# KiCad board nyx.kicad_pcb (continued)
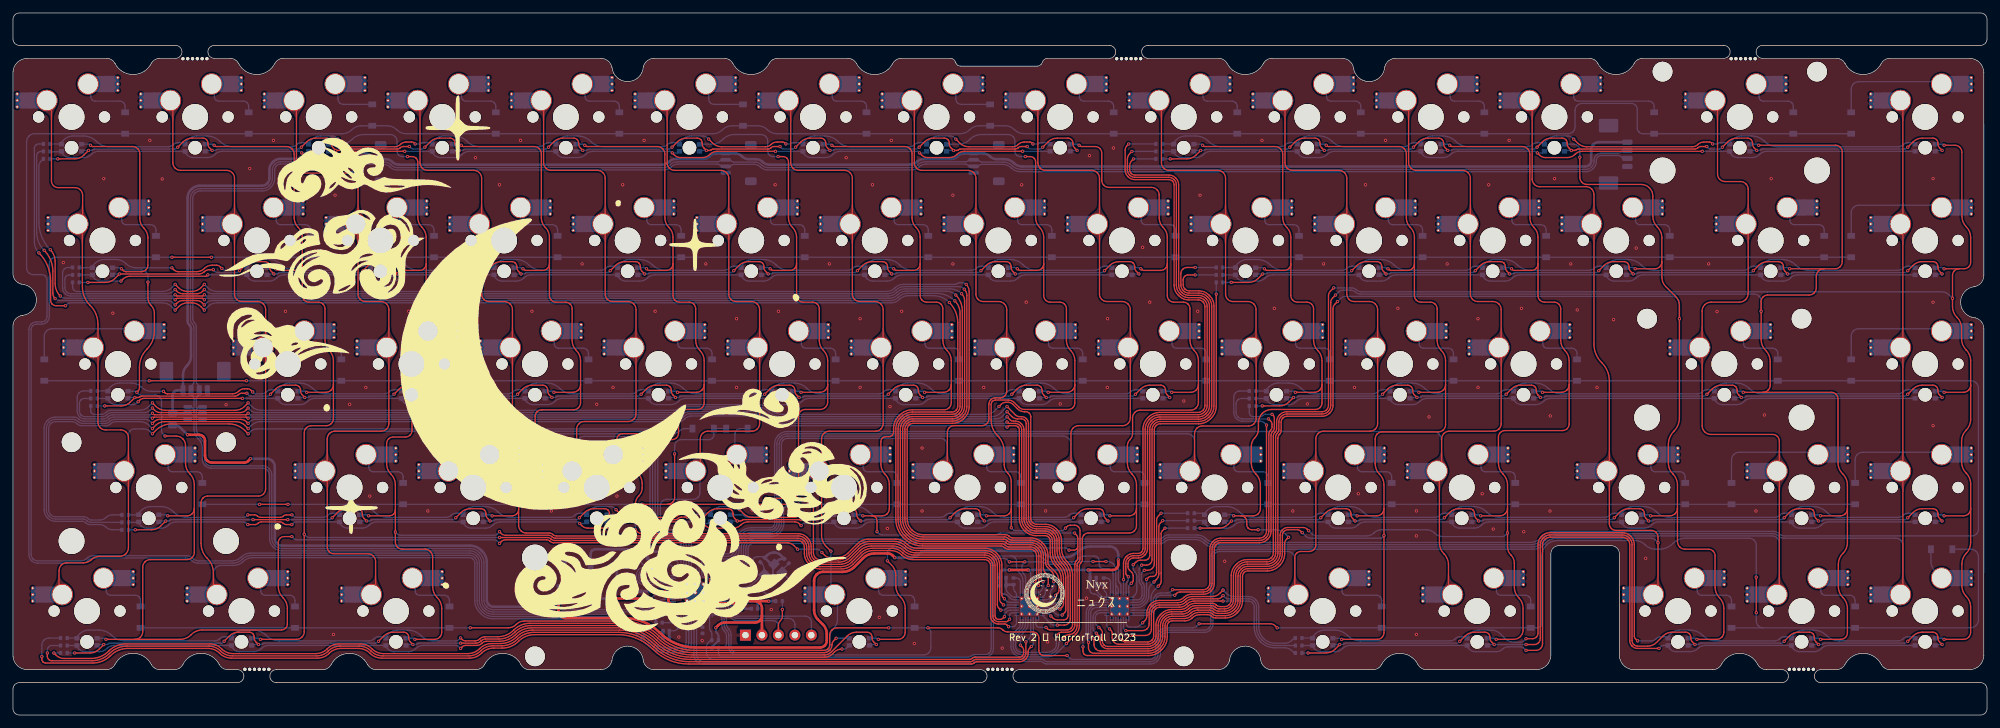
[diagram p0: board, top side]
## Routing (per net, layer and track width the routed paths; a pad name or vN(x,y) marks a point on that pad's centre or on a via; arc(x,y) is an arc through that point) (continued)
Net-(LED45-BK): length 173.3
  Top w0.2: v1(130.71,29.92) 130.33,30.31 arc(130.13,30.6) 130.06,30.95 130.06,31.06 arc(130.01,31.35) 129.84,31.59 129.83,31.6 arc(129.59,31.77) 129.3,31.82 127.64,31.82 arc(126.88,31.67) 126.23,31.24 v1(125.41,30.42) ; v1(106.36,30.42) 107.18,31.24 arc(107.83,31.67) 108.59,31.82 110.25,31.82 arc(110.54,31.77) 110.78,31.6 110.79,31.59 arc(110.96,31.35) 111.01,31.06 111.01,30.95 arc(111.08,30.6) 111.28,30.31 v1(111.66,29.92) 112.17,29.92 arc(112.31,29.95) 112.42,30.02 112.43,30.03 arc(112.54,30.11) 112.68,30.14 v1(121.5,30.14) ; v1(68.26,30.42) 69.08,31.24 arc(69.73,31.67) 70.49,31.82 72.15,31.82 arc(72.44,31.77) 72.68,31.6 72.69,31.59 arc(72.86,31.35) 72.91,31.06 72.91,30.95 arc(72.98,30.6) 73.18,30.31 v1(73.56,29.92) ; v1(168.81,29.92) 168.43,30.31 arc(168.23,30.6) 168.16,30.95 168.16,31.06 arc(168.11,31.35) 167.94,31.59 167.93,31.6 arc(167.69,31.77) 167.4,31.82 165.74,31.82 arc(164.98,31.67) 164.33,31.24 v1(163.51,30.42) ; v1(54.51,29.92) 54.13,30.31 arc(53.93,30.6) 53.86,30.95 53.86,31.06 arc(53.81,31.35) 53.64,31.59 53.63,31.6 arc(53.39,31.77) 53.1,31.82 51.44,31.82 arc(50.68,31.67) 50.03,31.24 v1(49.21,30.42) ; v1(149.76,29.92) 149.38,30.31 arc(149.18,30.6) 149.11,30.95 149.11,31.06 arc(149.06,31.35) 148.89,31.59 148.88,31.6 arc(148.64,31.77) 148.35,31.82 146.69,31.82 arc(145.93,31.67) 145.28,31.24 v1(144.46,30.42) ; v1(37,30.14) v1(42.38,30.14) ; v1(103.96,30.52) 103.03,30.52 arc(102.78,30.47) 102.57,30.33 102.57,30.33 arc(102.36,30.19) 102.11,30.14 93.63,30.14 arc(93.49,30.11) 93.38,30.03 93.37,30.02 arc(93.26,29.95) 93.12,29.92 v1(92.61,29.92) 92.23,30.31 arc(92.03,30.6) 91.96,30.95 91.96,31.06 arc(91.91,31.35) 91.74,31.59 91.73,31.6 arc(91.49,31.77) 91.2,31.82 89.54,31.82 arc(88.78,31.67) 88.13,31.24 v1(87.31,30.42) ; v1(23.56,29.92) 22.79,29.16 arc(22.14,28.72) 21.38,28.57 v1(18.85,28.57)
  Bottom w0.2: LED49.2 110.73,29.92 v1(111.66,29.92) ; LED50.2 129.78,29.92 v1(130.71,29.92) 131.12,29.92 arc(131.26,29.95) 131.37,30.02 131.38,30.03 arc(131.49,30.11) 131.63,30.14 143.97,30.14 arc(144.16,30.18) 144.32,30.28 v1(144.46,30.42) ; v1(125.41,30.42) 125.27,30.28 arc(125.11,30.18) 124.92,30.14 v1(121.5,30.14) ; v1(103.96,30.52) 104.2,30.28 arc(104.36,30.18) 104.55,30.14 105.87,30.14 arc(106.06,30.18) 106.22,30.28 v1(106.36,30.42) ; v1(92.61,29.92) 91.68,29.92 LED48.2 ; LED52.2 167.88,29.92 v1(168.81,29.92) ; R19.2 v1(18.85,28.57) ; LED46.2 53.58,29.92 v1(54.51,29.92) 54.92,29.92 arc(55.06,29.95) 55.17,30.02 55.18,30.03 arc(55.29,30.11) 55.43,30.14 67.77,30.14 arc(67.96,30.18) 68.12,30.28 v1(68.26,30.42) ; v1(37,30.14) 24.47,30.14 arc(24.34,30.11) 24.22,30.03 24.21,30.02 arc(24.1,29.95) 23.97,29.92 v1(23.56,29.92) 22.63,29.92 LED45.2 ; v1(163.51,30.42) 163.37,30.28 arc(163.21,30.18) 163.02,30.14 150.68,30.14 arc(150.54,30.11) 150.43,30.03 150.42,30.02 arc(150.31,29.95) 150.17,29.92 v1(149.76,29.92) 148.83,29.92 LED51.2 ; LED47.2 72.63,29.92 v1(73.56,29.92) 73.97,29.92 arc(74.11,29.95) 74.22,30.02 74.23,30.03 arc(74.34,30.11) 74.48,30.14 86.82,30.14 arc(87.01,30.18) 87.17,30.28 v1(87.31,30.42) ; v1(42.38,30.14) 42.38,30.13 48.72,30.13 arc(48.91,30.17) 49.07,30.28 v1(49.21,30.42)
Net-(LED45-GK): length 155.1
  Top w0.2: v1(121.5,29.22) 121.23,29.49 arc(120.9,29.71) 120.52,29.79 113.34,29.79 arc(112.73,29.67) 112.21,29.32 112.18,29.29 arc(111.66,28.94) 111.05,28.82 107.65,28.82 arc(107.17,28.92) 106.77,29.19 v1(106.42,29.54) ; v1(103.26,29.79) 94.29,29.79 arc(93.68,29.67) 93.16,29.32 93.13,29.29 arc(92.61,28.94) 92,28.82 88.6,28.82 arc(88.12,28.92) 87.72,29.19 v1(87.36,29.54) ; v1(43,29.37) 42.14,29.37 arc(41.87,29.43) 41.64,29.58 41.64,29.58 arc(41.41,29.73) 41.14,29.79 38.31,29.79 arc(38.04,29.73) 37.81,29.58 37.81,29.58 arc(37.58,29.43) 37.31,29.37 v1(36.2,29.37)
  Bottom w0.2: LED49.3 107.25,29.54 v1(106.42,29.54) 106.27,29.69 arc(106.16,29.76) 106.03,29.79 v1(103.26,29.79) ; v1(121.5,29.22) 121.7,29.43 arc(121.87,29.53) 122.06,29.57 126.33,29.57 LED50.3 126.55,29.54 126.9,29.19 arc(127.3,28.92) 127.78,28.82 130,28.82 arc(130.61,28.94) 131.13,29.29 131.16,29.32 arc(131.68,29.67) 132.29,29.79 LED51.3 145.6,29.54 145.95,29.19 arc(146.35,28.92) 146.83,28.82 149.05,28.82 arc(149.66,28.94) 150.18,29.29 150.21,29.32 arc(150.73,29.67) 151.34,29.79 LED52.3 ; LED48.3 88.2,29.54 v1(87.36,29.54) 87.22,29.69 arc(87.11,29.76) 86.97,29.79 75.14,29.79 arc(74.53,29.67) 74.01,29.32 73.98,29.29 arc(73.46,28.94) 72.85,28.82 70.63,28.82 arc(70.15,28.92) 69.75,29.19 69.4,29.54 LED47.3 56.09,29.79 arc(55.48,29.67) 54.96,29.32 54.93,29.29 arc(54.41,28.94) 53.8,28.82 51.58,28.82 arc(51.1,28.92) 50.7,29.19 50.35,29.54 LED46.3 50.34,29.78 43.68,29.78 arc(43.43,29.74) 43.22,29.59 v1(43,29.37) ; R20.2 19.33,29.72 LED45.3 19.39,29.54 19.74,29.19 arc(20.15,28.92) 20.62,28.82 22.84,28.82 arc(23.46,28.94) 23.97,29.29 24,29.32 arc(24.52,29.67) 25.13,29.79 35.52,29.79 arc(35.76,29.74) 35.98,29.6 v1(36.2,29.37)
Net-(LED45-RK): length 157
  Top w0.2: v1(43,30.87) 42.14,30.87 arc(41.89,30.82) 41.68,30.68 41.68,30.68 arc(41.47,30.54) 41.22,30.49 38.16,30.49 arc(37.91,30.54) 37.7,30.68 37.69,30.68 arc(37.48,30.82) 37.23,30.87 v1(36.2,30.87) ; v1(92.96,31.67) 93.56,31.07 arc(94.21,30.64) 94.98,30.49 101.71,30.49 arc(102.19,30.58) 102.6,30.85 102.6,30.86 arc(103.01,31.13) 103.49,31.22 104.36,31.22 arc(104.55,31.18) 104.71,31.08 v1(104.86,30.92) ; v1(112.01,31.67) 112.61,31.07 arc(113.26,30.64) 114.03,30.49 120.45,30.49 arc(120.83,30.56) 121.16,30.78 v1(121.5,31.12)
  Bottom w0.2: LED52.4 164.41,31.12 163.55,31.12 arc(163.15,31.04) 162.8,30.81 162.78,30.79 arc(162.44,30.57) 162.04,30.49 152.96,30.49 arc(151.89,30.7) 150.98,31.31 150.96,31.33 arc(150.05,31.94) 148.98,32.15 147.42,32.15 arc(146.65,32) 146,31.56 145.6,31.16 LED51.4 145.36,31.12 144.5,31.12 arc(144.1,31.04) 143.75,30.81 143.73,30.79 arc(143.39,30.57) 142.99,30.49 133.91,30.49 arc(132.84,30.7) 131.93,31.31 131.91,31.33 arc(131,31.94) 129.93,32.15 128.37,32.15 arc(127.6,32) 126.95,31.56 126.55,31.16 LED50.4 126.31,31.12 v1(121.5,31.12) ; v1(43,30.87) 43.2,30.67 arc(43.41,30.53) 43.66,30.48 47.74,30.48 arc(48.14,30.56) 48.48,30.79 48.5,30.81 arc(48.85,31.04) 49.25,31.12 50.11,31.12 LED46.4 50.35,31.16 50.75,31.56 arc(51.4,32) 52.17,32.15 53.73,32.15 arc(54.8,31.94) 55.71,31.33 55.73,31.31 arc(56.64,30.7) 57.71,30.49 66.79,30.49 arc(67.19,30.57) 67.53,30.79 67.55,30.81 arc(67.9,31.04) 68.3,31.12 69.16,31.12 LED47.4 69.4,31.16 69.8,31.56 arc(70.45,32) 71.22,32.15 72.78,32.15 arc(73.85,31.94) 74.76,31.33 74.78,31.31 arc(75.69,30.7) 76.76,30.49 85.84,30.49 arc(86.24,30.57) 86.58,30.79 86.6,30.81 arc(86.95,31.04) 87.35,31.12 88.21,31.12 LED48.4 88.45,31.16 88.85,31.56 arc(89.5,32) 90.27,32.15 92.11,32.15 arc(92.46,32.08) 92.75,31.89 v1(92.96,31.67) ; v1(104.86,30.92) 105.54,30.92 arc(105.65,30.95) 105.75,31.01 105.77,31.03 arc(105.87,31.1) 105.99,31.12 107.26,31.12 LED49.4 107.5,31.16 107.9,31.56 arc(108.55,32) 109.32,32.15 111.16,32.15 arc(111.51,32.08) 111.8,31.89 v1(112.01,31.67) ; v1(36.2,30.87) 36,30.68 arc(35.79,30.54) 35.54,30.49 26.76,30.49 arc(25.69,30.7) 24.78,31.31 24.75,31.33 arc(23.85,31.94) 22.77,32.15 21.21,32.15 arc(20.45,32) 19.8,31.56 19.39,31.16 LED45.4 19.38,30.87 R21.2
Net-(LED53-BK): length 131.4
  Top w0.2: v1(273.05,30.42) 273.86,31.24 arc(274.51,31.67) 275.28,31.82 276.94,31.82 arc(277.23,31.77) 277.47,31.6 277.48,31.59 arc(277.64,31.35) 277.7,31.06 277.7,30.95 arc(277.77,30.6) 277.96,30.31 v1(278.35,29.92) ; v1(252.16,29.92) 251.77,30.31 arc(251.57,30.6) 251.51,30.95 251.51,31.06 arc(251.45,31.35) 251.29,31.59 251.28,31.6 arc(251.03,31.77) 250.75,31.82 249.08,31.82 arc(248.32,31.67) 247.67,31.24 v1(246.86,30.42) ; v1(220.66,30.42) 221.48,31.24 arc(222.13,31.67) 222.89,31.82 224.55,31.82 arc(224.84,31.77) 225.08,31.6 225.09,31.59 arc(225.26,31.35) 225.31,31.06 225.31,30.95 arc(225.38,30.6) 225.58,30.31 v1(225.96,29.92) ; v1(183,28.82) 185.92,28.82 arc(186.69,28.97) 187.34,29.41 v1(187.85,29.92) ; v1(292.1,30.42) 292.91,31.24 arc(293.56,31.67) 294.33,31.82 295.99,31.82 arc(296.28,31.77) 296.52,31.6 296.53,31.59 arc(296.69,31.35) 296.75,31.06 296.75,30.95 arc(296.82,30.6) 297.01,30.31 v1(297.4,29.92) ; v1(206.91,29.92) 206.53,30.31 arc(206.33,30.6) 206.26,30.95 206.26,31.06 arc(206.21,31.35) 206.04,31.59 206.03,31.6 arc(205.79,31.77) 205.5,31.82 203.84,31.82 arc(203.08,31.67) 202.43,31.24 v1(201.61,30.42)
  Bottom w0.2: LED56.2 251.23,29.92 v1(252.16,29.92) 252.57,29.92 arc(252.7,29.95) 252.81,30.02 252.82,30.03 arc(252.94,30.11) 253.07,30.14 272.56,30.14 arc(272.75,30.18) 272.91,30.28 v1(273.05,30.42) ; LED58.2 296.47,29.92 v1(297.4,29.92) ; v1(246.86,30.42) 246.72,30.28 arc(246.56,30.18) 246.36,30.14 226.88,30.14 arc(226.74,30.11) 226.63,30.03 226.62,30.02 arc(226.51,29.95) 226.37,29.92 v1(225.96,29.92) 225.03,29.92 LED55.2 ; LED53.2 186.93,29.92 v1(187.85,29.92) 188.27,29.92 arc(188.41,29.95) 188.52,30.02 188.53,30.03 arc(188.64,30.11) 188.78,30.14 201.12,30.14 arc(201.31,30.18) 201.47,30.28 v1(201.61,30.42) ; R34.2 v1(183,28.82) ; LED54.2 205.98,29.92 v1(206.91,29.92) 207.32,29.92 arc(207.46,29.95) 207.57,30.02 207.58,30.03 arc(207.69,30.11) 207.83,30.14 220.17,30.14 arc(220.36,30.18) 220.52,30.28 v1(220.66,30.42) ; v1(292.1,30.42) 291.96,30.28 arc(291.8,30.18) 291.61,30.14 279.27,30.14 arc(279.13,30.11) 279.02,30.03 279.01,30.02 arc(278.89,29.95) 278.76,29.92 v1(278.35,29.92) 277.42,29.92 LED57.2
Net-(LED53-GK): length 115
  Bottom w0.2: LED58.3 279.93,29.79 arc(279.32,29.67) 278.8,29.32 278.77,29.29 arc(278.25,28.94) 277.64,28.82 275.42,28.82 arc(274.94,28.92) 274.53,29.19 274.18,29.54 LED57.3 253.73,29.79 arc(253.12,29.67) 252.6,29.32 252.57,29.29 arc(252.06,28.94) 251.44,28.82 249.22,28.82 arc(248.75,28.92) 248.34,29.19 247.99,29.54 LED56.3 227.54,29.79 arc(226.93,29.67) 226.41,29.32 226.38,29.29 arc(225.86,28.94) 225.25,28.82 223.03,28.82 arc(222.55,28.92) 222.15,29.19 221.8,29.54 LED55.3 208.49,29.79 arc(207.88,29.67) 207.36,29.32 207.33,29.29 arc(206.81,28.94) 206.2,28.82 203.98,28.82 arc(203.5,28.92) 203.1,29.19 202.75,29.54 LED54.3 189.44,29.79 arc(188.83,29.67) 188.31,29.32 188.28,29.29 arc(187.76,28.94) 187.15,28.82 184.93,28.82 arc(184.45,28.92) 184.05,29.19 183.7,29.54 LED53.3 183.51,29.97 R35.2
Net-(LED53-RK): length 117.8
  Bottom w0.2: LED58.4 293,31.12 292.13,31.12 arc(291.73,31.04) 291.39,30.81 291.37,30.79 arc(291.03,30.57) 290.63,30.49 281.55,30.49 arc(280.48,30.7) 279.57,31.31 279.55,31.33 arc(278.64,31.94) 277.57,32.15 276.01,32.15 arc(275.24,32) 274.59,31.56 274.18,31.16 LED57.4 273.95,31.12 273.08,31.12 arc(272.68,31.04) 272.34,30.81 272.32,30.79 arc(271.98,30.57) 271.58,30.49 255.36,30.49 arc(254.29,30.7) 253.38,31.31 253.35,31.33 arc(252.45,31.94) 251.37,32.15 249.81,32.15 arc(249.05,32) 248.4,31.56 247.99,31.16 LED56.4 247.76,31.12 246.89,31.12 arc(246.49,31.04) 246.15,30.81 246.13,30.79 arc(245.79,30.57) 245.39,30.49 229.16,30.49 arc(228.09,30.7) 227.18,31.31 227.16,31.33 arc(226.25,31.94) 225.18,32.15 223.62,32.15 arc(222.85,32) 222.2,31.56 221.8,31.16 LED55.4 221.56,31.12 220.7,31.12 arc(220.3,31.04) 219.95,30.81 219.93,30.79 arc(219.59,30.57) 219.19,30.49 210.11,30.49 arc(209.04,30.7) 208.13,31.31 208.11,31.33 arc(207.2,31.94) 206.13,32.15 204.57,32.15 arc(203.8,32) 203.15,31.56 202.75,31.16 LED54.4 202.51,31.12 201.65,31.12 arc(201.25,31.04) 200.9,30.81 200.88,30.79 arc(200.54,30.57) 200.14,30.49 191.06,30.49 arc(189.99,30.7) 189.08,31.31 189.06,31.33 arc(188.15,31.94) 187.08,32.15 185.52,32.15 arc(184.75,32) 184.1,31.56 183.7,31.16 LED53.4 183.46,31.12 R36.2
Net-(LED59-BK): length 137.7
  Top w0.2: v1(14,10.87) 13.29,10.16 arc(12.64,9.72) 11.87,9.57 v1(9.5,9.57) ; v1(32.54,11.37) 33.36,12.19 arc(34.01,12.62) 34.77,12.77 36.43,12.77 arc(36.72,12.72) 36.96,12.55 36.97,12.54 arc(37.14,12.3) 37.19,12.01 37.19,11.9 arc(37.26,11.55) 37.46,11.26 v1(37.84,10.87) ; v1(61.66,10.87) 61.27,11.26 arc(61.07,11.55) 61.01,11.9 61.01,12.01 arc(60.95,12.3) 60.79,12.54 60.78,12.55 arc(60.53,12.72) 60.25,12.77 58.58,12.77 arc(57.82,12.62) 57.17,12.19 v1(56.36,11.37) ; v1(133.09,10.87) 132.71,11.26 arc(132.51,11.55) 132.44,11.9 132.44,12.01 arc(132.39,12.3) 132.22,12.54 132.21,12.55 arc(131.97,12.72) 131.68,12.77 130.02,12.77 arc(129.26,12.62) 128.61,12.19 126.12,9.7 arc(125.65,9.38) 125.09,9.27 104.7,9.27 arc(101.76,9.86) 99.26,11.53 99.24,11.54 arc(96.74,13.21) 93.79,13.8 79.84,13.8 arc(78.5,13.53) 77.36,12.77 77.34,12.75 arc(76.2,11.99) 74.86,11.72 72.88,11.72 arc(72.48,11.64) 72.14,11.42 72.12,11.39 arc(71.78,11.17) 71.37,11.09 v1(69,11.09)
  Bottom w0.2: v1(56.36,11.37) 56.22,11.23 arc(56.06,11.13) 55.86,11.09 38.76,11.09 arc(38.63,11.06) 38.51,10.98 38.5,10.97 arc(38.39,10.9) 38.25,10.87 v1(37.84,10.87) 36.91,10.87 LED60.2 ; v1(133.09,10.87) 132.16,10.87 LED62.2 ; v1(9.5,9.57) R22.2 ; LED61.2 60.73,10.87 v1(61.66,10.87) 62.07,10.87 arc(62.2,10.9) 62.31,10.97 62.32,10.98 arc(62.44,11.06) 62.57,11.09 v1(69,11.09) ; v1(32.54,11.37) 32.4,11.23 arc(32.24,11.13) 32.05,11.09 14.95,11.09 arc(14.81,11.06) 14.7,10.98 14.69,10.97 arc(14.58,10.9) 14.44,10.87 v1(14,10.87) 13.1,10.87 LED59.2
Net-(LED59-GK): length 125.7
  Top w0.2: v1(127.8,10.17) 127.79,10.17 arc(127.14,10.04) 126.59,9.67 126.35,9.43 arc(125.78,9.05) 125.11,8.92 104.56,8.92 arc(101.61,9.51) 99.11,11.18 99.09,11.19 arc(96.6,12.86) 93.65,13.45 79.98,13.45 arc(78.64,13.18) 77.51,12.42 77.48,12.4 arc(76.35,11.64) 75.01,11.37 73.02,11.37 arc(72.62,11.29) 72.28,11.07 72.26,11.05 arc(71.92,10.82) 71.52,10.74 69.78,10.74 arc(69.49,10.68) 69.25,10.52 v1(69,10.27)
  Bottom w0.2: LED62.3 128.51,10.32 arc(128.35,10.21) 128.16,10.17 v1(127.8,10.17) ; v1(69,10.27) 68.75,10.52 arc(68.51,10.68) 68.22,10.74 63.23,10.74 arc(62.62,10.62) 62.1,10.27 62.07,10.24 arc(61.56,9.89) 60.94,9.77 58.72,9.77 arc(58.25,9.87) 57.84,10.14 57.49,10.49 LED61.3 39.42,10.74 arc(38.81,10.62) 38.29,10.27 38.26,10.24 arc(37.74,9.89) 37.13,9.77 34.91,9.77 arc(34.43,9.87) 34.03,10.14 33.68,10.49 LED60.3 15.61,10.74 arc(15,10.62) 14.48,10.27 14.45,10.24 arc(13.93,9.89) 13.32,9.77 11.1,9.77 arc(10.62,9.87) 10.22,10.14 9.87,10.49 LED59.3 9.85,10.72 R23.2
Net-(LED59-RK): length 127.8
  Top w0.2: v1(126.9,11.84) 126.51,11.45 arc(126.32,11.16) 126.25,10.81 126.25,10.8 arc(126.16,10.36) 125.91,9.99 125.88,9.96 arc(125.51,9.71) 125.07,9.62 104.85,9.62 arc(101.9,10.21) 99.4,11.88 99.38,11.89 arc(96.89,13.56) 93.94,14.15 79.69,14.15 arc(78.35,13.88) 77.22,13.12 77.19,13.1 arc(76.06,12.34) 74.72,12.07 72.73,12.07 arc(72.33,11.99) 71.99,11.76 71.97,11.74 arc(71.63,11.52) 71.23,11.44 69.77,11.44 arc(69.48,11.49) 69.24,11.66 v1(69,11.9)
  Bottom w0.2: R24.2 9.83,11.87 LED59.4 9.87,12.11 10.27,12.51 arc(10.92,12.95) 11.69,13.1 13.25,13.1 arc(14.32,12.89) 15.23,12.28 15.25,12.26 arc(16.16,11.65) 17.23,11.44 31.07,11.44 arc(31.47,11.52) 31.82,11.74 31.84,11.76 arc(32.18,11.99) 32.58,12.07 33.44,12.07 LED60.4 33.68,12.11 34.09,12.51 arc(34.73,12.95) 35.5,13.1 37.06,13.1 arc(38.13,12.89) 39.04,12.28 39.07,12.26 arc(39.97,11.65) 41.05,11.44 54.89,11.44 arc(55.29,11.52) 55.63,11.74 55.65,11.76 arc(55.99,11.99) 56.39,12.07 57.26,12.07 LED61.4 57.49,12.11 57.9,12.51 arc(58.55,12.95) 59.31,13.1 60.87,13.1 arc(61.95,12.89) 62.85,12.28 62.88,12.26 arc(63.79,11.65) 64.86,11.44 68.23,11.44 arc(68.52,11.49) 68.76,11.66 v1(69,11.9) ; LED62.4 v1(126.9,11.84)
Net-(LED63-BK): length 144
  Top w0.2: v1(297.4,10.87) 297.01,11.26 arc(296.82,11.55) 296.75,11.9 296.75,12.01 arc(296.69,12.3) 296.53,12.54 296.52,12.55 arc(296.28,12.72) 295.99,12.77 294.33,12.77 arc(293.56,12.62) 292.91,12.19 v1(292.1,11.37) ; v1(259.3,10.87) 258.91,11.26 arc(258.72,11.55) 258.65,11.9 258.65,12.01 arc(258.59,12.3) 258.43,12.54 258.42,12.55 arc(258.18,12.72) 257.89,12.77 255.78,12.77 arc(255.01,12.62) 254.36,12.19 253.39,11.21 arc(252.74,10.77) 251.97,10.62 250.45,10.62 arc(250.13,10.69) 249.85,10.87 249.85,10.87 arc(249.66,11.15) 249.6,11.47 249.6,26.27 arc(249.49,26.83) 249.17,27.3 249.12,27.35 arc(248.65,27.66) 248.1,27.77 236.95,27.77 arc(236.39,27.66) 235.92,27.35 235.87,27.3 arc(235.56,26.83) 235.45,26.28 235.45,11.79 arc(235.38,11.45) 235.19,11.16 235.16,11.14 arc(234.87,10.94) 234.53,10.87 v1(233.25,10.87) ; v1(223.04,11.37) 223.86,12.19 arc(224.51,12.62) 225.27,12.77 226.93,12.77 arc(227.22,12.72) 227.46,12.55 227.47,12.54 arc(227.64,12.3) 227.69,12.01 227.69,11.9 arc(227.76,11.55) 227.96,11.26 v1(228.34,10.87) ; v1(199.65,9.57) 202.4,9.57 arc(203.17,9.72) 203.82,10.16 v1(204.53,10.87) ; v1(273.05,11.37) 273.86,12.19 arc(274.51,12.62) 275.28,12.77 276.94,12.77 arc(277.23,12.72) 277.47,12.55 277.48,12.54 arc(277.64,12.3) 277.7,12.01 277.7,11.9 arc(277.77,11.55) 277.96,11.26 v1(278.35,10.87)
  Bottom w0.2: v1(292.1,11.37) 291.96,11.23 arc(291.8,11.13) 291.61,11.09 279.27,11.09 arc(279.13,11.06) 279.02,10.98 279.01,10.97 arc(278.89,10.9) 278.76,10.87 v1(278.35,10.87) 277.42,10.87 LED66.2 ; R37.2 v1(199.65,9.57) ; v1(273.05,11.37) 272.91,11.23 arc(272.75,11.13) 272.56,11.09 260.22,11.09 arc(260.08,11.06) 259.97,10.98 259.96,10.97 arc(259.84,10.9) 259.71,10.87 v1(259.3,10.87) 258.37,10.87 LED65.2 ; v1(223.04,11.37) 222.9,11.23 arc(222.74,11.13) 222.55,11.09 205.45,11.09 arc(205.31,11.06) 205.2,10.98 205.19,10.97 arc(205.08,10.9) 204.94,10.87 v1(204.53,10.87) 203.6,10.87 LED63.2 ; LED67.2 296.47,10.87 v1(297.4,10.87) ; LED64.2 227.41,10.87 v1(228.34,10.87) v1(233.25,10.87)
Net-(LED63-GK): length 130.5
  Top w0.2: v1(253.75,10.27) 250.43,10.27 arc(249.99,10.36) 249.62,10.61 249.59,10.64 arc(249.34,11.01) 249.25,11.45 249.25,26.25 arc(249.16,26.69) 248.91,27.06 248.89,27.09 arc(248.52,27.34) 248.08,27.42 236.97,27.42 arc(236.53,27.34) 236.15,27.09 236.14,27.07 arc(235.89,26.7) 235.8,26.26 235.8,10.99 arc(235.72,10.6) 235.51,10.28 235.49,10.27 arc(235.17,10.05) 234.79,9.97 v1(233.25,9.97)
  Bottom w0.2: v1(233.25,9.97) 232.92,10.3 arc(232.68,10.47) 232.39,10.52 230.52,10.52 arc(230.04,10.43) 229.63,10.16 229.62,10.14 arc(229.21,9.87) 228.73,9.77 225.41,9.77 arc(224.93,9.87) 224.53,10.14 224.18,10.49 LED64.3 206.11,10.74 arc(205.5,10.62) 204.98,10.27 204.95,10.24 arc(204.43,9.89) 203.82,9.77 201.6,9.77 arc(201.12,9.87) 200.72,10.14 200.37,10.49 LED63.3 200.35,10.72 R38.2 ; v1(253.75,10.27) 254.07,10.59 arc(254.23,10.7) 254.42,10.74 LED65.3 255.13,10.49 255.48,10.14 arc(255.89,9.87) 256.37,9.77 258.59,9.77 arc(259.2,9.89) 259.72,10.24 259.75,10.27 arc(260.27,10.62) 260.88,10.74 LED66.3 274.18,10.49 274.53,10.14 arc(274.94,9.87) 275.42,9.77 277.64,9.77 arc(278.25,9.89) 278.77,10.24 278.8,10.27 arc(279.32,10.62) 279.93,10.74 LED67.3
Net-(LED63-RK): length 130.9
  Top w0.2: v1(250.45,11.44) 250.1,11.79 arc(249.99,11.95) 249.95,12.14 249.95,26.29 arc(249.82,26.96) 249.44,27.53 249.36,27.61 arc(248.79,27.99) 248.12,28.12 236.92,28.12 arc(236.26,27.99) 235.69,27.61 235.61,27.54 arc(235.23,26.97) 235.1,26.3 235.1,12.62 arc(235.04,12.3) 234.85,12.02 234.85,12.02 arc(234.57,11.84) 234.25,11.77 v1(233.25,11.77)
  Bottom w0.2: R39.2 200.33,11.87 LED63.4 200.37,12.11 200.77,12.51 arc(201.42,12.95) 202.19,13.1 203.75,13.1 arc(204.82,12.89) 205.73,12.28 205.75,12.26 arc(206.66,11.65) 207.73,11.44 221.57,11.44 arc(221.97,11.52) 222.32,11.74 222.34,11.76 arc(222.68,11.99) 223.08,12.07 223.94,12.07 LED64.4 224.18,12.11 224.59,12.51 arc(225.23,12.95) 226,13.1 227.89,13.1 arc(228.66,12.95) 229.31,12.51 230.01,11.81 arc(230.66,11.37) 231.43,11.22 232.39,11.22 arc(232.68,11.28) 232.92,11.44 v1(233.25,11.77) ; v1(250.45,11.44) 252.53,11.44 arc(252.93,11.52) 253.27,11.74 253.29,11.76 arc(253.63,11.99) 254.03,12.07 254.9,12.07 LED65.4 255.13,12.11 255.54,12.51 arc(256.19,12.95) 256.96,13.1 258.52,13.1 arc(259.59,12.89) 260.5,12.28 260.52,12.26 arc(261.43,11.65) 262.5,11.44 271.58,11.44 arc(271.98,11.52) 272.32,11.74 272.34,11.76 arc(272.68,11.99) 273.08,12.07 273.95,12.07 LED66.4 274.18,12.11 274.59,12.51 arc(275.24,12.95) 276.01,13.1 277.57,13.1 arc(278.64,12.89) 279.55,12.28 279.57,12.26 arc(280.48,11.65) 281.55,11.44 290.63,11.44 arc(291.03,11.52) 291.37,11.74 291.39,11.76 arc(291.73,11.99) 292.13,12.07 293,12.07 LED67.4
Net-(U2-ISET): length 3.1
  Bottom w0.2: R9.1 154.69,21.13 arc(154.92,21.09) 155.12,20.96 155.12,20.95 arc(155.25,20.75) 155.3,20.52 U2.25
Net-(U4-ISET): length 3.1
  Bottom w0.2: U4.25 169.2,20.52 arc(169.15,20.75) 169.02,20.95 169.02,20.96 arc(168.82,21.09) 168.59,21.13 R8.1

## Copper pours and planes (outline as drawn; the poured copper is in the pictures)
+1V1 on Bottom: 102.53,17.57 103.5,17.57 103.5,17.2 106.6,17.2 106.6,16.6 102.54,16.6
+3V3 on Top: 115.26,14.02 115.23,13.66 115.14,13.41 115,13.21 114.85,12.98 114.67,12.65 115.46,12.32 116.25,12.65 116.07,12.98 115.92,13.21 115.78,13.41 115.69,13.66 115.66,14.02
+3V3 on Bottom: 99.6,13.62 99.6,14.72 100.7,14.72 101.13,16.82 102.4,16.82 102.4,17.87 102.38,17.97 102.3,18.07 100.9,18.07 100.2,18.32 99.4,18.32 98.5,17.37 97.8,17.67 98,18.42 99,18.85 102.3,18.85 102.38,18.95 102.4,19.05 102.4,21.62 102.43,21.68 102.45,21.89 102.73,21.89 102.78,21.66 102.85,21.62 105.9,21.62 105.98,21.65 106.05,21.9 106.33,21.9 106.38,21.65 106.45,21.62 107.98,21.62 107.98,20.15 106.88,20.15 106.88,20.57 103.5,20.57 103.5,17.2 106.88,17.2 106.88,19.47 107.95,19.47 107.98,19.03 108.01,18.9 108.25,18.82 108.25,18.54 108.01,18.47 107.98,18.35 107.98,16.07 106.5,16.07 106.4,16.02 106.32,15.77 106.05,15.77 105.98,16.02 105.85,16.07 102.75,16.07 102.75,12.72 101.7,12.72 101.7,11.22 100.7,11.22 100.7,13.62
GND on Top, Bottom: 304.3,6.47 -0.5,6.47 -0.5,101.77 304.3,101.77